# KiCad board Panel2.kicad_pcb (continued)
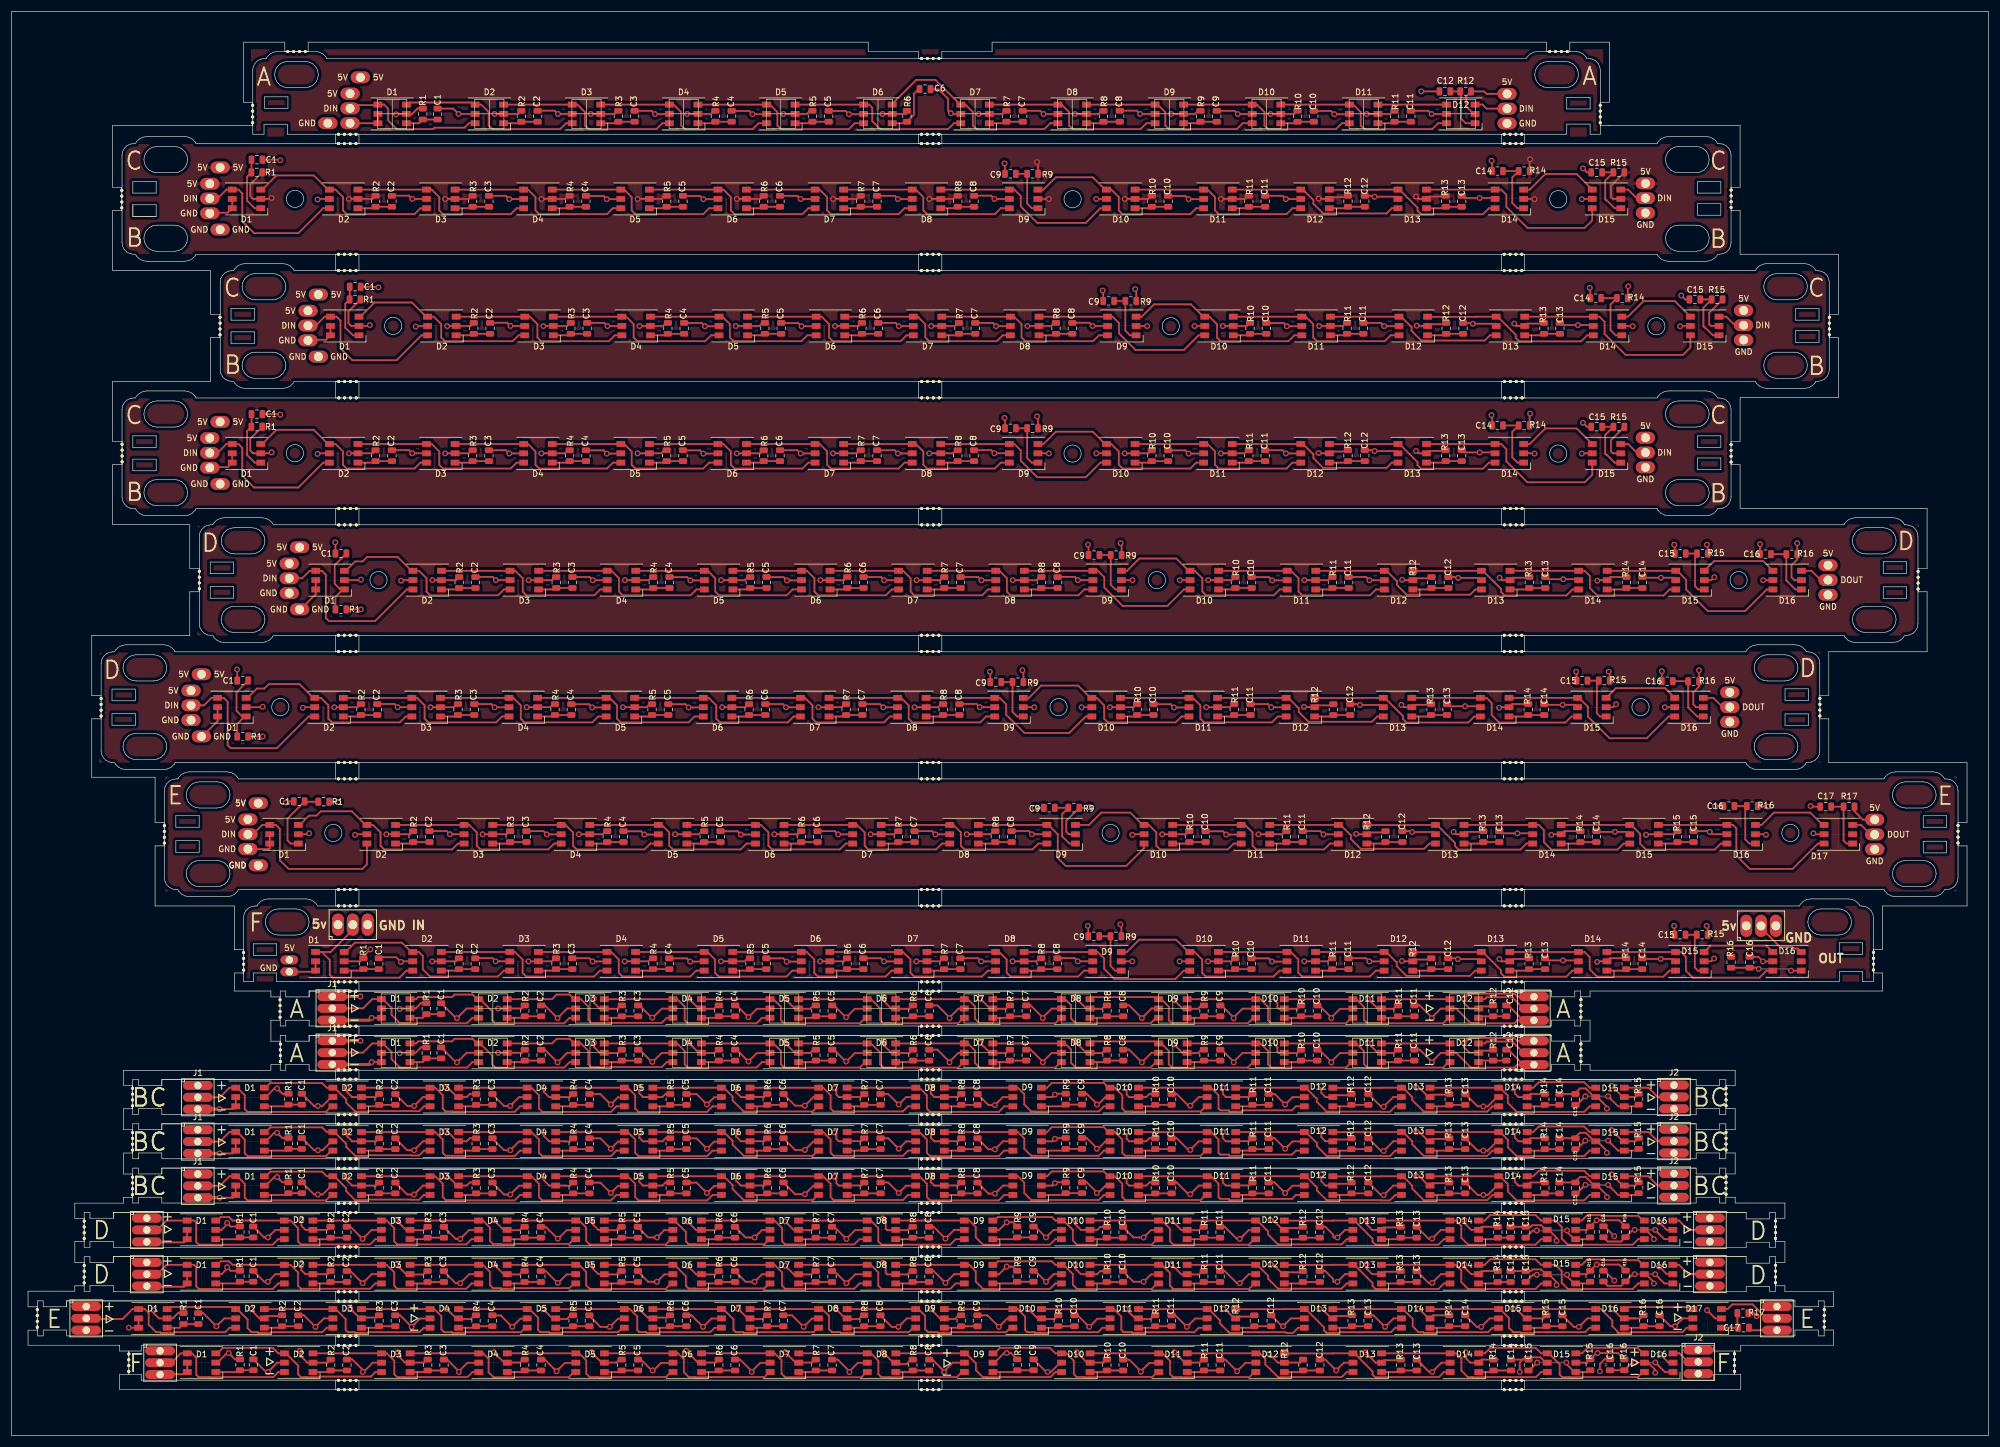
[diagram p0: board, top side]
## Routing (per net, layer and track width the routed paths; a pad name or vN(x,y) marks a point on that pad's centre or on a via; arc(x,y) is an arc through that point) (continued)
Net-(C1-Pad1): length 10.4
  Top w0.3: R1.2 41.15,216.83 C1.1 ; R1.2 41.22,216.9 ; R1.2 40.39,216.07 40.39,211.95 41.69,210.65 D1.1
Net-(C2-Pad1): length 5.9
  Top w0.3: C2.1 R2.2 62.19,210.65 D2.1
Net-(C3-Pad1): length 5.9
  Top w0.3: 81.75,210.9 78.95,210.9 78.7,210.65 75.92,210.65
Net-(C4-Pad1): length 5.9
  Top w0.3: 98.26,210.9 95.46,210.9 95.21,210.65 92.43,210.65
Net-(C5-Pad1): length 5.9
  Top w0.3: 108.94,210.65 111.72,210.65 111.97,210.9 114.77,210.9
Net-(C6-Pad1): length 5.9
  Top w0.3: 125.96,210.65 128.73,210.65 128.99,210.9 131.78,210.9
Net-(C7-Pad1): length 5.9
  Top w0.3: 148.29,210.9 145.5,210.9 145.24,210.65 142.47,210.65
Net-(C8-Pad1): length 5.9
  Top w0.3: 164.8,210.9 162.01,210.9 161.75,210.65 158.98,210.65
Net-(C9-Pad1): length 9.2
  Top w0.3: D9.1 175.02,210.65 174.22,211.45 R9.2 C9.1
Net-(C10-Pad1): length 5.9
  Top w0.3: 192.51,210.65 195.28,210.65 195.54,210.9 198.33,210.9
Net-(C11-Pad1): length 5.9
  Top w0.3: 209.02,210.65 211.79,210.65 212.05,210.9 214.84,210.9
Net-(C12-Pad1): length 6.2
  Top w0.3: C12.1 R12.2 229.01,210.65 D12.1
Net-(C13-Pad1): length 6.1
  Top w0.3: C13.1 R13.2 245.78,210.65 D13.1
Net-(C14-Pad1): length 11
  Top w0.3: D14.1 258.35,210.65 257.45,211.55 257.45,215.93 R14.2 C14.1
Net-(C15-Pad1): length 10.5
  Top w0.3: C15.1 R15.2 273.39,215.39 273.39,212.18 273.59,211.98 273.69,211.98 275.02,210.65 D15.1
Net-(D1-Pad3): length 34
  Top w0.3: D3.6 70.13,210.65 69.11,209.63 57.48,209.63 56.85,210.27 56.85,212.56 55.56,213.85 D2.4 54.26,213.85 51.83,216.28 45.42,216.28 42.99,213.85 D1.3
Net-(D1-Pad4): length 28.8
  Top w0.3: 37.82,213.83 D1.4 ; D1.4 36.86,213.85 35.33,212.32 J1#17.2 ; D1.4 38.89,213.85 39.57,213.17 39.57,208.4 41.59,206.38 49.19,206.38 53.46,210.65 D2.6
Net-(D2-Pad3): length 32.1
  Top w0.3: D2.3 D3.4 ; 71.02,213.85 72.07,213.85 73.36,212.56 73.36,210.27 73.99,209.63 85.62,209.63 86.64,210.65 D4.6
Net-(D3-Pad3): length 31.9
  Top w0.3: 104.2,210.65 103.15,210.65 102.13,209.63 90.5,209.63 89.87,210.27 89.87,212.56 88.58,213.85 87.53,213.85 ; 75.92,213.85 87.69,213.85
Net-(D4-Pad3): length 32.1
  Top w0.3: 104.04,213.85 105.09,213.85 106.38,212.56 106.38,210.27 107.01,209.63 118.64,209.63 119.66,210.65 120.86,210.65 ; 92.43,213.85 104.2,213.85
Net-(D5-Pad3): length 31.9
  Top w0.3: 108.94,213.85 120.71,213.85 ; 121.06,213.85 122.11,213.85 123.39,212.56 123.39,210.27 124.03,209.63 135.66,209.63 136.67,210.65 137.72,210.65
Net-(D6-Pad3): length 32.1
  Top w0.3: 154.39,210.65 153.18,210.65 152.17,209.63 140.54,209.63 139.9,210.27 139.9,212.56 138.62,213.85 137.57,213.85 ; 125.96,213.85 137.72,213.85
Net-(D7-Pad3): length 31.9
  Top w0.3: 154.08,213.85 155.13,213.85 156.41,212.56 156.41,210.27 157.05,209.63 168.68,209.63 169.69,210.65 170.74,210.65 ; 142.47,213.85 154.23,213.85
Net-(D10-Pad3): length 32.1
  Top w0.3: 192.51,213.85 204.27,213.85 ; 204.12,213.85 205.17,213.85 206.45,212.56 206.45,210.27 207.09,209.63 218.72,209.63 219.73,210.65 220.94,210.65
Net-(D10-Pad4): length 33.7
  Top w0.3: 204.27,210.65 203.22,210.65 202.21,209.63 190.58,209.63 189.94,210.27 189.94,212.56 188.66,213.85 187.61,213.85 ; D10.4 187.59,213.85 185.48,215.96 179.14,215.96 177.03,213.85 D9.3
Net-(D10-Pad6): length 33.9
  Top w0.3: 158.98,213.85 170.74,213.85 ; 170.59,213.85 171.64,213.85 ; D10.6 186.79,210.65 184.28,208.14 175.95,208.14 173.13,210.96 173.13,212.74 172.02,213.85 D9.4
Net-(D11-Pad3): length 30.9
  Top w0.3: 209.02,213.85 220.78,213.85 ; D12.4 221.54,213.85 223.33,212.06 223.33,211.42 225,209.75 235.89,209.75 236.79,210.65 D13.6
Net-(D12-Pad3): length 30.9
  Top w0.3: D12.3 226.09,213.83 234.39,213.83 234.41,213.85 D13.4 238.09,213.85 241.2,210.74 241.2,210.22 241.8,209.61 252.41,209.61 253.45,210.65 D14.6
Net-(D13-Pad3): length 35
  Top w0.3: D13.3 D14.4 255.55,213.85 256.44,212.96 256.44,210.88 260.04,207.28 269.89,207.28 271.17,208.56 D15.6
Net-(D14-Pad3): length 14
  Top w0.3: D15.4 268.5,216.52 263.12,216.52 260.45,213.85 D14.3
Net-(D15-Pad3): length 4.8
  Top w0.3: D15.3 277.32,213.85 278.59,212.58 279.49,212.58 279.69,212.38 J2#17.2

## Copper pours and planes (outline as drawn; the poured copper is in the pictures)
+5V on Top: 18.99,221.68 294.89,221.68 294.89,202.78 18.99,202.78
GND on Bottom: 18.99,221.68 294.89,221.68 294.89,202.78 18.99,202.78
(no net) on Top: 273.05,222.95 41.05,222.95 41.05,237.95 273.05,237.95
(no net) on Top: 26.33,113.12 333.73,113.12 333.73,93.32 26.33,93.32
(no net) on Top: 39.83,90.89 319.28,90.89 319.28,77.89 39.83,77.89
(no net) on Top: 15.07,134.37 310.37,134.57 310.27,115.47 14.97,115.47
(no net) on Top: 31.91,156.18 327.21,156.38 327.12,137.28 31.82,137.28
(no net) on Top: 18.99,178.01 294.89,178.01 294.89,159.11 18.99,159.11
(no net) on Top: 35.84,199.87 311.74,199.87 311.74,180.97 35.84,180.97
(no net) on Bottom: 273.05,222.95 41.05,222.95 41.05,237.95 273.05,237.95
(no net) on Bottom: 26.33,113.12 333.73,113.12 333.73,93.32 26.33,93.32
(no net) on Bottom: 20.23,13 20.23,15.5 295.23,15.5 295.23,13
(no net) on Bottom: 20.23,9.5 20.23,12 295.23,12 295.23,9.5
(no net) on Bottom: 4.37,20.47 4.37,23.22 310.87,23.22 310.87,20.47
(no net) on Bottom: 4.37,16.97 4.37,19.72 310.87,19.72 310.87,16.97
(no net) on Bottom: 302.76,28.17 12.76,28.17 12.76,30.67 302.76,30.67
(no net) on Bottom: 302.66,27.37 12.66,27.37 12.76,24.67 302.76,24.67
(no net) on Bottom: 302.76,35.77 12.76,35.77 12.76,38.27 302.76,38.27
(no net) on Bottom: 302.66,34.97 12.66,34.97 12.76,32.27 302.76,32.27
(no net) on Bottom: 20.99,43.2 294.24,43.45 294.29,45.85 21.04,45.85
(no net) on Bottom: 21.04,39.84 294.29,39.85 294.29,42.5 21.04,42.5
(no net) on Bottom: 20.99,50.8 294.24,51.05 294.29,53.45 21.04,53.45
(no net) on Bottom: 21.04,47.44 294.29,47.45 294.29,50.1 21.04,50.1
(no net) on Bottom: 20.99,58.4 294.24,58.65 294.29,61.05 21.04,61.05
(no net) on Bottom: 21.04,55.04 294.29,55.05 294.29,57.7 21.04,57.7
(no net) on Bottom: 45.9,62.63 269.15,62.63 269.15,65.13 45.9,65.13
(no net) on Bottom: 45.9,66.13 269.15,66.13 269.15,68.63 45.9,68.63
(no net) on Bottom: 45.9,70.23 269.15,70.23 269.15,72.73 45.9,72.73
(no net) on Bottom: 45.9,73.73 269.15,73.73 269.15,76.23 45.9,76.23
(no net) on Bottom: 39.83,90.89 319.28,90.89 319.28,77.89 39.83,77.89
(no net) on Bottom: 15.09,134.47 310.17,134.47 310.17,115.57 15.26,115.57
(no net) on Bottom: 31.94,156.28 327.02,156.28 327.02,137.38 32.11,137.38
(no net) on Bottom: 18.99,178.01 294.89,178.01 294.89,159.11 18.99,159.11
(no net) on Bottom: 35.84,199.87 311.74,199.87 311.74,180.97 35.84,180.97
(no net) on In1.Cu: 41.05,237.95 273.05,237.95 273.05,222.95 41.05,222.95
(no net) on In1.Cu: 26.33,113.12 333.83,113.02 333.73,93.42 26.33,93.32
(no net) on In1.Cu: 20.23,15.5 295.23,15.5 295.23,9.5 20.23,9.5
(no net) on In1.Cu: 4.37,22.97 310.87,23.22 310.87,16.97 4.37,16.97
(no net) on In1.Cu: 12.71,30.62 302.46,30.62 302.46,24.62 12.71,24.62
(no net) on In1.Cu: 12.71,38.22 302.46,38.22 302.46,32.22 12.71,32.22
(no net) on In1.Cu: 21.04,45.85 294.29,45.85 294.29,39.85 21.04,39.85
(no net) on In1.Cu: 21.04,53.45 294.29,53.45 294.29,47.45 21.04,47.45
(no net) on In1.Cu: 21.04,61.05 294.29,61.05 294.29,55.05 21.04,55.05
(no net) on In1.Cu: 45.9,68.63 269.15,68.63 269.15,62.63 45.9,62.63
(no net) on In1.Cu: 45.9,76.23 269.15,76.23 269.15,70.23 45.9,70.23
(no net) on In1.Cu: 39.73,91.04 319.23,91.04 319.48,77.79 39.73,77.79
(no net) on In1.Cu: 15.17,134.37 310.17,134.62 310.17,115.62 15.17,115.37
(no net) on In1.Cu: 32.02,156.18 327.02,156.43 327.02,137.43 32.02,137.18
(no net) on In2.Cu: 41.05,237.95 273.05,237.95 273.05,222.95 41.05,222.95
(no net) on In2.Cu: 26.33,113.12 333.73,113.02 333.73,93.32 26.33,93.32
(no net) on In2.Cu: 20.23,15.5 295.23,15.5 295.23,9.5 20.23,9.5
(no net) on In2.Cu: 4.37,23.22 310.87,23.22 310.87,16.97 4.37,16.97
(no net) on In2.Cu: 12.71,30.62 302.46,30.62 302.46,24.62 12.71,24.62
(no net) on In2.Cu: 12.71,38.22 302.46,38.22 302.46,32.22 12.71,32.22
(no net) on In2.Cu: 21.04,45.85 294.29,45.85 294.29,39.85 21.04,39.85
(no net) on In2.Cu: 21.04,53.45 294.29,53.45 294.29,47.45 21.04,47.45
(no net) on In2.Cu: 21.04,61.05 294.29,61.05 294.29,55.05 21.04,55.05
(no net) on In2.Cu: 45.9,68.63 269.15,68.63 269.15,62.63 45.9,62.63
(no net) on In2.Cu: 45.9,76.23 269.15,76.23 269.15,70.23 45.9,70.23
(no net) on In2.Cu: 39.73,91.04 319.23,91.04 319.48,77.79 39.73,77.79
(no net) on In2.Cu: 15.17,134.37 310.17,134.62 310.17,115.62 15.17,115.37
(no net) on In2.Cu: 32.02,156.18 327.02,156.43 327.02,137.43 32.02,137.18

## Text on the board
B.SilkS: E | D | C | B | F | BC | A
F.SilkS: 5v | GND | IN | OUT | E | D | C | B | F | BC | A
